# Altium PCB PCB1.PcbDoc (part 1 of 3) (continued)
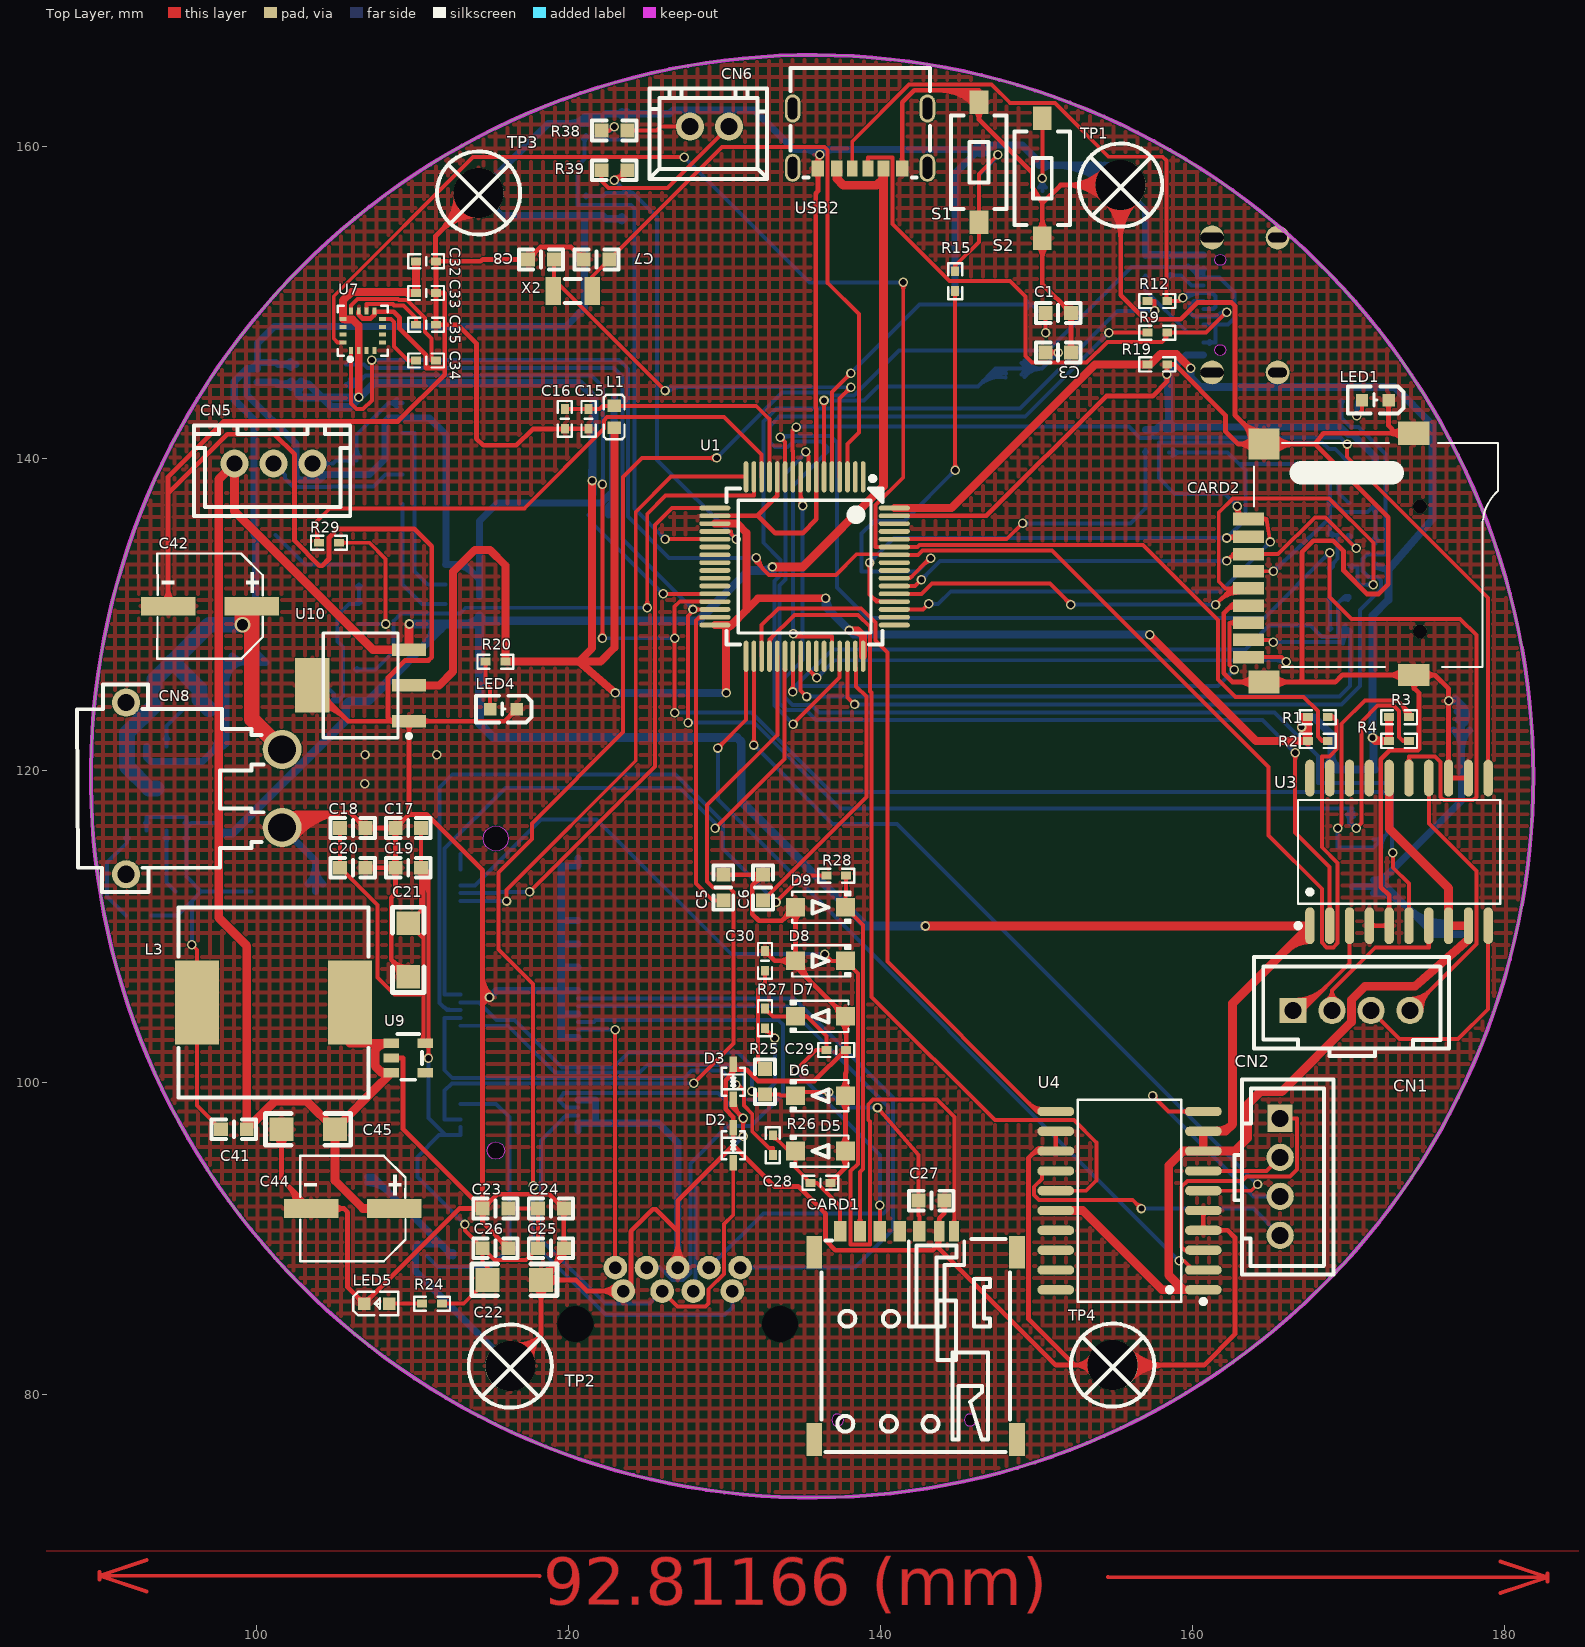
[diagram p0: Top Layer view]
## Footprints (in the part's own frame and the unit in brackets; to place one, negate y for a bottom-side part, rotate by r counter-clockwise, add the part's x,y. Pads: shape width x height; smd on the part's side, far side on the other; paste and mask are expansions set on the pad)
0402 [mil]
  rect 25x20 smd: 1(-25,0) 2(25,0)
  silkscreen extent -45,-18 45,18, body extent -20,-10 20,10, height 19
0402C [mil]
  rect 25x20 smd: 1(-25,0) 2(25,0)
  silkscreen extent -45,-18 45,18, body extent -20,-10 20,10, height 19
0402R [mil]
  rect 25x20 smd: 1(-25,0) 2(25,0)
  silkscreen extent -45,-18 45,18, body extent -20,-10 20,10, height 14
0603C [mil] "Chip Resistor, 2-Leads, Body 1.6x0.8mm, IPC Medium Density"
  rect 35x35 smd: 1(-32.5,0) 2(32.5,0)
  silkscreen extent -56,-25 56,25, body extent -31,-16 31,15, height 18
0603R [mil] "10mil˿ӡ"
  rect 35x35 smd: 1(-32.5,0) 2(32.5,0)
  silkscreen extent -56,-25 56,25, body extent -33,-16 33,16, height 22
0805 [mm]
  rect 1.2x1.14 smd: 1(-0.955,0) 2(0.955,0)
  silkscreen extent -1.85,-0.89 1.91,0.91, body extent -1.4,-0.62 1.4,0.63, height 0.8
1206C [mil]
  rect 60x60 smd: 1(0,0) 2(135,0)
  silkscreen extent -40,-40 175,40, body extent -4,-39 142,37, height 71
CAP-SMD_BD6.3-L6.6-W6.6-FD [mm]
  rect 3.5x1.2 smd: 1(-2.67,0) 2(2.67,0)
  silkscreen extent -3.38,-3.38 3.38,3.38
CONN-SMD_4P-P2.50_HX25003-4AWB [mm]
  rect 1.3x4 smd paste+0 mask+0.051: 1(-3.75,3.5) 2(-1.25,3.5) 3(1.25,3.5) 4(3.75,3.5)
  rect 1.9x4 smd paste+0 mask+0.051: 5(6.8,-3.5) 6(-6.8,-3.5)
  silkscreen extent -7.5,-5.3 7.5,3.88
CONN-TH_2P-P2.50_HCTL_XH-2A-X [mm]
  round 1.8 / inner round 1.524 / far side round 1.524 hole 1.1: 1(-1.251,0) 2(1.251,0)
  silkscreen extent -3.69,-2.45 3.83,3.35
CONN-TH_4P-P2.50_HCTL_HC-XHB-4A [mm]
  rect 1.75x1.6 / inner round 1.524 / far side round 1.524 hole 1.1: 1(-3.75,0)
  round 1.75 / inner round 1.524 / far side round 1.524 hole 1.1: 2(-1.25,0) 3(1.25,0) 4(3.75,0)
  silkscreen extent -6.25,-2.92 6.25,3.43
CONN-TH_XH-3A [mm]
  round 1.8 / inner round 1.524 / far side round 1.524 hole 1 paste+0 mask+0.05: 1(-2.5,0) 2(0,0) 3(2.5,0)
  silkscreen extent -4.92,-2.44 5.09,3.38
CONN-TH_XT30PW-M [mm]
  round 2.5 / inner round 1.524 / far side round 1.524 hole 1.8: 1(-2.5,5) 2(2.5,5)
  round 1.8 / inner round 1.524 / far side round 1.524 hole 1.1: 3(5.5,-5) 4(-5.5,-5)
  silkscreen extent -6.65,-8.15 6.65,3.81
CRYSTAL-SMD_L5.0-W3.2 [mm]
  rect 1.9x2.4 smd paste+0 mask+0.051: 1(-2.05,0) 2(2.05,0)
  silkscreen extent -3.32,-1.85 3.33,1.85
ESOP-8_L4.9-W3.9-P1.27-LS6.0-TL-EP3.3 [mm]
  rect 1.3x0.6 smd: 1(-2.7,1.905) 2(-2.7,0.635) 3(-2.7,-0.635) 4(-2.7,-1.905) 5(2.7,-1.905) 6(2.7,-0.635) 7(2.7,0.635) 8(2.7,1.905)
  rect 2.4x3.3 smd: 9(0,0)
  silkscreen extent -2.67,-2.55 2.05,3.2
FC-135R_L3.2-W1.5 [mm]
  rect 1x1.8 smd paste+0 mask+0.051: 1(-1.25,0) 2(1.25,0)
  silkscreen extent -0.51,-0.76 0.51,0.76
IND-SMD_L12.0-W12.0 [mm]
  rect 2.8x5.4 smd paste+0 mask+0.051: 1(4.9,0) 2(-4.9,0)
  silkscreen extent -6.1,-6.1 6.1,6.1
L0603 [mm]
  rect 0.8x0.864 smd paste-100 mask+0.051: 1(-0.7,0) 2(0.7,0)
  silkscreen extent -1.42,-0.65 1.41,0.67
LED0603-R-RD [mm]
  rect 0.8x0.8 smd paste+0 mask+0.051: 1(0.851,0) 2(-0.851,0)
  silkscreen extent -1.82,-0.86 1.77,0.86
LED0603-RD [mm]
  rect 0.8x0.8 smd paste+0 mask+0.051: 1(-0.799,-0.003) 2(0.799,0.003)
  silkscreen extent -1.49,-0.75 1.39,0.76
LGA-16_L3.0-W3.0-P0.50-BL_SQ [mm]
  rect 0.25x0.45 smd paste+0 mask+0.051: 1(-0.75,-1.263) 2(-0.25,-1.263) 3(0.25,-1.263) 4(0.75,-1.263) 9(0.75,1.263) 10(0.25,1.263) 11(-0.25,1.263) 12(-0.75,1.263)
  rect 0.45x0.25 smd paste+0 mask+0.051: 5(1.263,-0.75) 6(1.263,-0.25) 7(1.263,0.25) 8(1.263,0.75) 13(-1.263,0.75) 14(-1.263,0.25) 15(-1.263,-0.25) 16(-1.263,-0.75)
  silkscreen extent -1.61,-1.95 1.61,1.6
LQFP-64_L10.0-W10.0-P0.50-LS12.0-BL [mm]
  oval 0.3x2 smd paste+0 mask+0.051: 1(-3.75,-5.75) 2(-3.25,-5.75) 3(-2.75,-5.75) 4(-2.25,-5.75) 5(-1.75,-5.75) 6(-1.25,-5.75) 7(-0.75,-5.75) 8(-0.25,-5.75) 9(0.25,-5.75) 10(0.75,-5.75) 11(1.25,-5.75) 12(1.75,-5.75) 13(2.25,-5.75) 14(2.75,-5.75) 15(3.25,-5.75) 16(3.75,-5.75) 33(3.75,5.75) 34(3.25,5.75) 35(2.75,5.75) 36(2.25,5.75) 37(1.75,5.75) 38(1.25,5.75) 39(0.75,5.75) 40(0.25,5.75) 41(-0.25,5.75) 42(-0.75,5.75) 43(-1.25,5.75) 44(-1.75,5.75) 45(-2.25,5.75) 46(-2.75,5.75) 47(-3.25,5.75) 48(-3.75,5.75)
  oval 2x0.3 smd paste+0 mask+0.051: 17(5.75,-3.75) 18(5.75,-3.25) 19(5.75,-2.75) 20(5.75,-2.25) 21(5.75,-1.75) 22(5.75,-1.25) 23(5.75,-0.75) 24(5.75,-0.25) 25(5.75,0.25) 26(5.75,0.75) 27(5.75,1.25) 28(5.75,1.75) 29(5.75,2.25) 30(5.75,2.75) 31(5.75,3.25) 32(5.75,3.75) 49(-5.75,3.75) 50(-5.75,3.25) 51(-5.75,2.75) 52(-5.75,2.25) 53(-5.75,1.75) 54(-5.75,1.25) 55(-5.75,0.75) 56(-5.75,0.25) 57(-5.75,-0.25) 58(-5.75,-0.75) 59(-5.75,-1.25) 60(-5.75,-1.75) 61(-5.75,-2.25) 62(-5.75,-2.75) 63(-5.75,-3.25) 64(-5.75,-3.75)
  silkscreen extent -5,-5.79 5,5
NGFF-SMD_APCI0078-P002A [mm]
  rect 0.3x1.55 smd: 1(-9.25,3.775) 2(-9,-3.775) 3(-8.75,3.775) 4(-8.5,-3.775) 5(-8.25,3.775) 6(-8,-3.775) 7(-7.75,3.775) 8(-7.5,-3.775) 9(-7.25,3.775) 10(-7,-3.775) 11(-6.75,3.775) 20(-4.5,-3.775) 21(-4.25,3.775) 22(-4,-3.775) 23(-3.75,3.775) 24(-3.5,-3.775) 25(-3.25,3.775) 26(-3,-3.775) 27(-2.75,3.775) 28(-2.5,-3.775) 29(-2.25,3.775) 30(-2,-3.775) 31(-1.75,3.775) 32(-1.5,-3.775) 33(-1.25,3.775) 34(-1,-3.775) 35(-0.75,3.775) 36(-0.5,-3.775) 37(-0.25,3.775) 38(0,-3.775) 39(0.25,3.775) 40(0.5,-3.775) 41(0.75,3.775) 42(1,-3.775) 43(1.25,3.775) 44(1.5,-3.775) 45(1.75,3.775) 46(2,-3.775) 47(2.25,3.775) 48(2.5,-3.775) 49(2.75,3.775) 50(3,-3.775) 51(3.25,3.775) 52(3.5,-3.775) 53(3.75,3.775) 54(4,-3.775) 55(4.25,3.775) 56(4.5,-3.775) 57(4.75,3.775) 58(5,-3.775) 59(5.25,3.775) 60(5.5,-3.775) 61(5.75,3.775) 62(6,-3.775) 63(6.25,3.775) 64(6.5,-3.775) 65(6.75,3.775) 66(7,-3.775) 67(7.25,3.775) 68(7.5,-3.775) 69(7.75,3.775) 70(8,-3.775) 71(8.25,3.775) 72(8.5,-3.775) 73(8.75,3.775) 74(9,-3.775) 75(9.25,3.775)
  rect 1.3x2.75 smd: 76(-10.35,3) 77(10.35,3)
  Keep-Out Layer board cut-out: -9.439,-1.5 -9.482,-1.285 -9.603,-1.103 -9.785,-0.982 -10,-0.939 -10.215,-0.982 -10.397,-1.103 -10.518,-1.285 -10.561,-1.5 -10.561,-1.5 -10.518,-1.715 -10.397,-1.896 -10.215,-2.018 -10,-2.061 -9.785,-2.018 -9.603,-1.896 -9.482,-1.715 -9.439,-1.5
  Keep-Out Layer board cut-out: 10.807,-1.5 10.779,-1.291 10.699,-1.096 10.571,-0.929 10.403,-0.801 10.209,-0.72 10,-0.693 9.791,-0.72 9.596,-0.801 9.429,-0.929 9.301,-1.096 9.221,-1.291 9.193,-1.5 9.193,-1.5 9.221,-1.709 9.301,-1.903 9.429,-2.07 9.596,-2.199 9.791,-2.279 10,-2.307 10.209,-2.279 10.403,-2.199 10.571,-2.07 10.699,-1.903 10.779,-1.709 10.807,-1.5
  Multi-Layer pour cut-out: -9.439,-1.5 -9.482,-1.285 -9.603,-1.103 -9.785,-0.982 -10,-0.939 -10.215,-0.982 -10.397,-1.103 -10.518,-1.285 -10.561,-1.5 -10.561,-1.5 -10.518,-1.715 -10.397,-1.896 -10.215,-2.018 -10,-2.061 -9.785,-2.018 -9.603,-1.896 -9.482,-1.715 -9.439,-1.5
  Multi-Layer pour cut-out: 10.807,-1.5 10.779,-1.291 10.699,-1.096 10.571,-0.929 10.403,-0.801 10.209,-0.72 10,-0.693 9.791,-0.72 9.596,-0.801 9.429,-0.929 9.301,-1.096 9.221,-1.291 9.193,-1.5 9.193,-1.5 9.221,-1.709 9.301,-1.903 9.429,-2.07 9.596,-2.199 9.791,-2.279 10,-2.307 10.209,-2.279 10.403,-2.199 10.571,-2.07 10.699,-1.903 10.779,-1.709 10.807,-1.5
  silkscreen extent -11.05,-3.68 11.05,3.56
"PCBComponent_1 - duplicate" [mil]
  round 126 / inner round 60 / far side round 60 hole 126 paste+0 mask+4: 1(-2.5,2.5)
  silkscreen extent -107,-102 102,107
SENSOR-SMD_AHT10 [mm]
  rect 1x1.27 smd paste+0 mask+0.051: 1(-1.27,-1.6) 2(0,-1.6) 3(1.27,-1.6) 4(1.27,1.6) 5(0,1.6) 6(-1.27,1.6)
  silkscreen extent -2.54,-2.03 2.54,2.03
SIM-SMD_SMN-303 [mm]
  rect 1x2.1 smd: 8(-6.5,5.328) 9(6.5,5.328) 10(6.5,-6.672) 11(-6.5,-6.672)
  rect 0.8x1.3 smd: C1(0.25,6.672) C2(-2.29,6.672) C3(-4.83,6.672) C6(-1.02,6.672) C7(-3.56,6.672)
  rect 0.65x1.3 smd: C5(1.52,6.672) CD(2.47,6.672)
  Keep-Out Layer board cut-out: -4.618,-5.422 -4.618,-5.422 -4.647,-5.276 -4.73,-5.152 -4.854,-5.069 -5,-5.04 -5.146,-5.069 -5.27,-5.152 -5.353,-5.276 -5.382,-5.422 -5.382,-5.422 -5.353,-5.568 -5.27,-5.692 -5.146,-5.775 -5,-5.804 -4.854,-5.775 -4.73,-5.692 -4.647,-5.568
  Keep-Out Layer board cut-out: 3.882,-5.422 3.882,-5.422 3.853,-5.276 3.77,-5.152 3.646,-5.069 3.5,-5.04 3.354,-5.069 3.23,-5.152 3.147,-5.276 3.118,-5.422 3.118,-5.422 3.147,-5.568 3.23,-5.692 3.354,-5.775 3.5,-5.804 3.646,-5.775 3.77,-5.692 3.853,-5.568
  Multi-Layer pour cut-out: -4.618,-5.422 -4.618,-5.422 -4.647,-5.276 -4.73,-5.152 -4.854,-5.069 -5,-5.04 -5.146,-5.069 -5.27,-5.152 -5.353,-5.276 -5.382,-5.422 -5.382,-5.422 -5.353,-5.568 -5.27,-5.692 -5.146,-5.775 -5,-5.804 -4.854,-5.775 -4.73,-5.692 -4.647,-5.568
  Multi-Layer pour cut-out: 3.882,-5.422 3.882,-5.422 3.853,-5.276 3.77,-5.152 3.646,-5.069 3.5,-5.04 3.354,-5.069 3.23,-5.152 3.147,-5.276 3.118,-5.422 3.118,-5.422 3.147,-5.568 3.23,-5.692 3.354,-5.775 3.5,-5.804 3.646,-5.775 3.77,-5.692 3.853,-5.568
  silkscreen extent -6.04,-7.49 6.04,6.16
SMAF_L4.3-W2.5-LS5.0-RD [mm]
  rect 2x1.8 smd paste+0 mask+0.051: 1(-2.05,0) 2(2.05,0)
  silkscreen extent -2.16,-1.27 2.16,1.27
SOD-123FL_L2.8-W1.8-LS3.7-RD [mm]
  rect 1.2x1.2 smd: 1(-1.6,0) 2(1.6,0)
  silkscreen extent -1.9,-1 1.8,1
SOD-323_L1.8-W1.3-LS2.5-BI [mm]
  rect 0.985x0.49 smd: 1(-1.118,0) 2(1.118,0)
  silkscreen extent -0.9,-0.73 0.9,0.73
SOIC-8_L4.9-W3.9-P1.27-LS6.0-BL [mm]
  oval 0.588x2.045 smd paste+0 mask+0.051: 1(-1.905,-2.772) 2(-0.635,-2.772) 3(0.635,-2.772) 4(1.905,-2.772) 5(1.905,2.772) 6(0.635,2.772) 7(-0.635,2.772) 8(-1.905,2.772)
  silkscreen extent -2.8,-2.92 2.53,1.52
SOIC-20_L13.0-W7.6-P1.27-LS10.3-BL [mm]
  oval 0.595x2.36 smd: 1(-5.715,-4.73) 2(-4.445,-4.73) 3(-3.175,-4.73) 4(-1.905,-4.73) 5(-0.635,-4.73) 6(0.635,-4.73) 7(1.905,-4.73) 8(3.175,-4.73) 9(4.445,-4.73) 10(5.715,-4.73) 11(5.715,4.73) 12(4.445,4.73) 13(3.175,4.73) 14(1.905,4.73) 15(0.635,4.73) 16(-0.635,4.73) 17(-1.905,4.73) 18(-3.175,4.73) 19(-4.445,4.73) 20(-5.715,4.73)
  silkscreen extent -6.61,-4.88 6.48,3.32
SOT223_4 [mm] "SOT223, 4-Leads, Body 6.50x7.00mm (avg), Pitch 2.29mm, IPC Medium Density"
  rect 2.2x0.8 smd: 1(-3.1,2.29) 2(-3.1,0) 3(-3.1,-2.29)
  rect 2.2x3.5 smd: 4(3.1,0)
  silkscreen extent -3.22,-3.35 2.4,3.36, body extent -1.86,-3.35 1.86,3.35, height 1.8
SOT-23-3_L2.9-W1.3-P1.90-LS2.4-BR [mm]
  rect 1.25x0.7 smd paste+0 mask+0.051: 1(1,-0.95) 2(1,0.95) 3(-1,0)
  silkscreen extent -0.73,-1.53 0.73,1.53
SOT-23-5_L2.9-W1.6-P0.95-LS2.8-BR [mm]
  rect 1x0.6 smd paste+0 mask+0.05: 1(1.1,-0.95) 2(1.1,0) 3(1.1,0.95) 4(-1.1,0.95) 5(-1.1,-0.95)
  silkscreen extent -0.89,-1.52 0.7,1.4
SW-3x6mm-SMT [mm] "两脚贴片轻触开关3x6mm"
  rect 1.5x1.2 smd: 1(-3.85,0) 2(3.85,0)
  silkscreen extent -3,-1.78 3,1.78, body extent -4.03,-1.75 3.97,1.75, height 2.59
TF_SD [mm] "SD卡"
  round 0.9 hole 0.9 unplated: 0(-0.8,11) 0(7.2,11)
  rect 0.85x2 smd: 1(0,0)
  rect 0.8x2 smd: 2(1.15,0) 3(2.25,0) 4(3.35,0) 5(4.45,0) 6(5.55,0) 7(6.65,0) 8(7.75,0) 9(8.85,0)
  rect 1.5x2 smd: 10(-5.5,10.6) 10(10.45,1)
  rect 2x2 smd: 10(-4.8,1)
  rect 1.4x2 smd: 10(10,10.6)
  silkscreen extent -4.87,0.36 9.49,16, body extent -5.8,-0.27 10.3,16.93, height 2.2
USB-3.0-A-TH_HC-ST-003-01-Z [mil]
  rect 47.24x47.24 / inner round 60 / far side round 60 hole 31.5 paste+0 mask+1.97: 1(-137.8,11.82)
  round 47.24 / inner round 60 / far side round 60 hole 31.5 paste+0 mask+1.97: 2(-39.36,11.82) 3(39.38,11.82) 4(137.79,11.82) 5(157.49,70.86) 6(78.75,70.86) 7(0.01,70.86) 8(-78.73,70.86) 9(-157.47,70.86)
  round 118.11 / inner round 60 / far side round 60 hole 90.55 paste+0 mask+1.97: 10(-257.88,-70.87) 11(257.88,-70.87)
  silkscreen extent -258,-535 258,126
USB-C-SMD_TYPE-C-6P [mm]
  oval 1x1.8 / inner round 1.524 / far side round 1.524 hole 0.6 slot 1.4 at 90 deg paste+0 mask+0.05: 1(-4.32,-1.925) 1(-4.32,1.875) 2(4.32,-1.925) 2(4.32,1.875)
  rect 0.7x1 smd paste-100 mask+0.05: A5(-0.499,1.925) B5(0.501,1.925)
  rect 0.75x1 smd paste-100 mask+0.05: A9(1.501,1.925) B9(-1.499,1.925)
  rect 0.8x1 smd paste-100 mask+0.05: A12(2.701,1.925) B12(-2.699,1.925)
  silkscreen extent -4.47,-4.52 4.47,2.5
USB-C-SMD_TYPE-C-6PIN-2MD-073 [mm]
  rect 0.55x1.1 smd paste-100 mask+0.05: 1(-3.2,2.375) 2(-2.4,2.375) 11(2.4,2.375) 12(3.2,2.375)
  rect 0.3x1.1 smd paste-100 mask+0.05: 3(-1.75,2.375) 4(-1.25,2.375) 5(-0.75,2.375) 6(-0.25,2.375) 7(0.25,2.375) 8(0.75,2.375) 9(1.25,2.375) 10(1.75,2.375)
  oval 1.1x2 / inner round 1.524 / far side round 1.524 hole 0.6 slot 1.5 at 90 deg paste+0 mask+0.05: 13(-4.325,1.825) 14(4.325,1.825)
  oval 1.2x1.8 / inner round 1.524 / far side round 1.524 hole 0.6 slot 1.2 at 90 deg paste+0 mask+0.05: 13(-4.325,-2.375) 14(4.325,-2.375)
  Keep-Out Layer board cut-out: -2.534,1.305 -2.56,1.435 -2.637,1.551 -2.753,1.628 -2.89,1.655 -3.026,1.628 -3.142,1.551 -3.22,1.435 -3.245,1.305 -3.245,1.305 -3.22,1.175 -3.142,1.059 -3.026,0.982 -2.89,0.954 -2.753,0.982 -2.637,1.059 -2.56,1.175
  Keep-Out Layer board cut-out: 3.246,1.305 3.22,1.435 3.143,1.551 3.027,1.628 2.89,1.655 2.754,1.628 2.638,1.551 2.56,1.435 2.535,1.305 2.535,1.305 2.56,1.175 2.638,1.059 2.754,0.982 2.89,0.954 3.027,0.982 3.143,1.059 3.22,1.175
  Multi-Layer pour cut-out: -2.534,1.305 -2.56,1.435 -2.637,1.551 -2.753,1.628 -2.89,1.655 -3.026,1.628 -3.142,1.551 -3.22,1.435 -3.245,1.305 -3.245,1.305 -3.22,1.175 -3.142,1.059 -3.026,0.982 -2.89,0.954 -2.753,0.982 -2.637,1.059 -2.56,1.175
  Multi-Layer pour cut-out: 3.246,1.305 3.22,1.435 3.143,1.551 3.027,1.628 2.89,1.655 2.754,1.628 2.638,1.551 2.56,1.435 2.535,1.305 2.535,1.305 2.56,1.175 2.638,1.059 2.754,0.982 2.89,0.954 3.027,0.982 3.143,1.059 3.22,1.175
  silkscreen extent -4.5,-4.97 4.57,0.6

## Part data
C1 C3 C4 C5 C6 C7 C8 C10 C11 C12 C13 C14 C15 C16 C39: library part CAP_0603
C2 C9: library part Cap, "Capacitor"
C17 C18 C19 C20 C23 C24 C25 C26 C40 C41: library part 0603B104K500NT
C21 C22 C42 C44: library part CL31A226KAHNNNE
C27 C28 C29 C30 C43 C45: library part CL31A106KBHNNNE
C31 C32 C33 C34 C35 C36 C37 C38: library part CAP_0402
CARD2: library part TF-02A
CN4: library part HX25003-4AWB
D5 D6 D7 D8 D9: library part SMF75A_C5116416
D10: library part SS32
L1 L2: library part L_0603
L3: library part SDRH.1207.NLF6R8MT00
LED1 LED4: library part 19-217/BHC-ZL1M2RY/3T
LED5: library part NCD0603G1
Q1: library part 2N7002_C8545
R1 R2 R3 R4 R5 R9 R10 R11 R12 R14 R15 R18 R19 R20 R40 R41 R42 R43 R44 R45: library part RC0402FR-0710KL
R21 R33 R34 R35 R38 R39: library part Res_0603
R23 R25: library part RMC06034.7k5%N
R24: library part 0402WGF1001TCE
R26 R27 R28 R29 R30 R31 R32: library part Res_0402
R36 R37: library part Res_0805
S1 S2: "Single-Pole, Single-Throw Switch"
U1: library part STM32F405RGT6
U6: library part MAX3485ECSA+
U7: library part QMC5883L
U8: library part AHT10
X1: library part X50328MSB2GI
X2: library part Q13FC1350000400

## Via types
v1: diameter 0.61, hole 0.406, Top Layer to Bottom Layer, 111 vias
v2: diameter 1.016, hole 0.711, Top Layer to Bottom Layer, 1 vias

## Nets (pads, with @x,y where several pads share a name; then routed paths per layer and width w, separated by ;. In a path a pad name is that pad's centre, name@x,y a point inside that pad or via, vN(x,y) a via of type N, cw(c..) or ccw(c..) an arc to the next point about the centre after c; other vN are vias at no path point)
0_2V_IN_A: CN6.2 R38.1 | length 4.1
  Top Layer w0.254: R38.1@123.761,161.036 125.628,161.036 125.882,161.29 CN6.2@127.781,161.29
0_2V_IN_B: CN6.1 R39.1 | length 10.7
  Top Layer w0.254: R39.1@122.111,158.496 122.111,157.797 122.554,157.353 126.346,157.353 CN6.1@130.283,161.29
3V3: C10.2 C11.2 C12.2 C13.2 C14.2 C32.1 C33.2 C36.1 CN4.1 L1.1 L2.1 R1.2 R2.2 R3.2 R4.2 R19.1 R20.1 U1.19 U1.32 U1.48 U1.64 U7.2 U7.13 U8.4 U10.2 | length 258
  Top Layer w0.508: v1(106.557,143.942) U7.2@106.557,146.946 106.557,148.532 106.172,148.917 105.706,148.917 105.664,148.959 U7.13@105.544,148.959 105.537,148.959 105.537,150.143 106.092,150.698 109.601,150.698 109.673,150.626 C33.2@110.236,150.626 C32.1@110.236,152.658 ; U10.2@109.78,125.476 111.709,125.476 112.598,126.365 112.598,132.766 113.995,134.163 114.96,134.163 115.951,133.172 R20.1@115.951,127 120.65,127 ; v1(121.514,138.608) 121.514,127.864 120.65,127 ; L1.1@122.936,141.986 122.936,127.889 122.047,127 120.65,127 ; v1(122.987,124.993) 120.65,127 ; U1.32@129.378,129.346 U1.32@130.099,129.346 ; U1.19@129.378,135.846 130.81,135.846 131.394,135.262 131.394,130.302 ; v1(130.099,124.993) U1.32@130.099,129.346 ; U1.32@130.228,129.242 ccw(c130.228,129.498) 130.409,129.317 ; v1(136.471,131.064) 132.156,131.064 131.394,130.302 ; v1(138,129) 138.535,129 138.878,128.656 U1.48@138.878,127.346 ; v1@138.012,128.951 cw(c138.215,128.146) 138.802,128.733 ; U1.64@140.878,136.846 144.542,136.846 153.746,146.05 R19.1@157.099,146.05 157.277,146.05 157.937,146.71 158.953,146.71 v1(159.868,145.796) ; v1(157.246,128.727) 164.053,121.92 R2.2@167.386,121.92 R1.2@167.386,123.444 ; v1@166.947,122.77 cw(c166.163,121.832) R2.2@167.386,121.832 ; v1@166.963,122.857 ccw(c166.767,123.444) R1.2@167.386,123.444 ; v1@166.98,122.722 cw(c167.91,122.722) R1.2@167.323,123.444 ; v1(166.98,122.809) 166.98,123.444 R1.2@167.386,123.444 ; 167.273,123.16 cw(c167.07,122.918) 167.386,122.918 ; v1@171.562,122.159 ccw(c172.139,122.736) 172.139,121.92 ; v1@171.704,121.92 R4.2@172.593,121.92 R3.2@172.593,123.444 ; U1.32@130.099,129.346 130.438,129.346 131.394,130.302
  Bottom Layer w0.508: C36.1@100.076,144.907 101.244,144.907 101.371,144.78 U8.4@102.54,144.78 U8.4@102.667,144.78 ; U8.4@102.231,144.606 ccw(c101.811,144.186) 101.811,144.78 ccw(c101.811,145.374) U8.4@102.231,144.954 ; U8.4@102.501,144.606 cw(c102.101,144.206) 102.667,144.206 ; 102.667,144.166 cw(c103.289,144.166) 102.849,144.606 cw(c103.269,144.186) 103.269,144.78 cw(c103.269,145.374) U8.4@102.849,144.954 ; v1(106.557,143.942) 104.191,143.942 ; v1(121.514,138.608) 121.514,139.257 C13.2@121.539,139.257 ; C14.2@121.539,137.733 C13.2@121.539,139.257 ; v1(122.987,124.993) v1(130.099,124.993) ; v1(136.471,131.064) 136.471,130.529 v1(138,129) 138.273,128.727 v1(157.246,128.727) ; v1@136.521,131.064 ccw(c137.934,131.064) 136.935,130.065 ; v1@138.036,129.036 ccw(c138.781,129.781) 138.781,128.727 ; v1(159.868,145.796) 159.868,145.212 160.477,144.602 172.949,144.602 175.362,142.189 175.362,136.144 172.542,132.879 ; v1(166.98,122.809) 167.589,123.419 167.792,123.419 168.885,122.326 168.885,120.082 CN4.1@170.236,120.082 CN4.1@171.577,120.082 ; CN4.1@168.606,120.362 ccw(c167.933,121.035) 168.885,121.035 ; 168.885,121.042 ccw(c169.846,121.042) CN4.1@169.166,120.362 ; CN4.1@171.704,120.082 CN4.1@171.577,120.082 ; L2.1@171.704,133.158 172.542,132.879 ; U8.4@102.667,144.78 102.667,144.145 102.87,143.942 104.191,143.942 ; U8.4@102.667,144.78 103.353,144.78 104.191,143.942 ; 104.191,143.942 104.8,143.332 106.02,143.332 107.544,144.856 120.715,144.856 121.615,143.956 C10.2@121.666,143.956 C11.2@121.666,142.432 121.666,141.656 121.539,141.529 C12.2@121.539,140.781 C13.2@121.539,139.257 ; CN4.1@171.577,120.082 171.577,122.072 v1(171.526,122.123) 171.526,129.946 172.542,130.962 172.542,132.879
5V: C31.2 C41.2 C44.1 C45.2 CN5.3 L3.2 R30.2 R48.2 U3.1 U3.8 U3.9 U3.16 U4.1 U4.8 U4.9 U4.16 U6.8 U9.1 U9.3 U10.3 USB2.A9 USB2.B9 | length 333.1
  Top Layer w0.559: L3.2@105.992,105.156 105.992,102.55 108.052,102.55 ; C44.1@107.465,91.721 ccw(c106.918,91.174) 106.918,91.948 ccw(c106.918,92.722) C44.1@107.465,92.175 ; 107.75,102.249 cw(c108.428,101.571) U9.1@108.428,102.529 ; 107.816,100.871 ccw(c108.318,101.373) U9.3@108.425,100.671 ; 107.863,102.362 cw(c108.3,101.925) U9.1@108.424,102.53 ; 108.256,100.264 ccw(c107.866,100.639) U9.3@108.407,100.65 ; C44.1@108.842,91.948 106.832,91.948 105.029,93.751 C45.2@105.029,97.028 ; v1(109.804,129.413) 109.78,129.389 U10.3@109.78,127.766 107.463,127.766 98.592,136.638 CN5.3@98.592,139.7 97.587,138.695 97.587,110.592 99.377,108.801 C41.2@99.377,97.028 101.181,98.831 103.226,98.831 C45.2@105.029,97.028 ; v1(133.071,133.071) 135.001,133.071 140.183,138.252 140.183,157.963 ; USB2.A9@137.183,158.603 137.183,157.963 137.615,157.531 139.751,157.531 140.183,157.963 ; USB2.A9@137.267,158.432 ccw(c137.739,158.17) 137.357,157.788 ; 140.009,157.788 ccw(c139.627,158.17) USB2.B9@140.099,158.432 ; v1(142.875,110.058) U3.1@167.513,110.058 ; U4.16@151.226,91.821 152.959,91.821 158.039,86.741 159.395,86.741 ; U4.9@161.568,96.919 ccw(c161.568,98.253) 162.512,97.31 ; 166.009,108.555 cw(c167.513,107.051) U3.1@167.513,109.177 ; 166.963,109.509 cw(c167.513,108.959) U3.1@167.513,109.736 ; U3.1@167.513,110.078 U3.1@167.513,110.058 ; U3.16@172.593,119.538 172.593,116.291 176.403,112.481 U3.8@176.403,110.078 U3.9@177.673,110.078 177.673,109.195 174.244,106.197 171.044,106.197 170.18,105.334 170.18,103.911 165.71,99.441 164.338,99.441 163.525,98.628 163.525,96.469 162.687,95.631 U4.8@160.686,95.631 ; C45.2@105.029,97.028 108.036,100.035 U9.3@108.628,100.65 108.036,100.65 107.62,101.067 107.62,102.118 108.052,102.55 ; 108.052,102.55 U9.1@108.628,102.55 108.052,102.55 ; 140.183,157.963 USB2.B9@140.183,158.603 140.183,157.963 ; 159.395,86.741 U4.1@160.686,86.741 159.395,86.741 ; 159.395,86.741 158.465,87.672 158.465,94.711 159.385,95.631 U4.8@160.686,95.631 ; U4.8@160.686,95.631 U4.9@160.686,96.901 162.103,96.901 162.56,97.358 162.56,105.105 U3.1@167.513,110.058
  Bottom Layer w0.559: R48.2@97.663,116.014 98.489,116.014 105.715,123.241 105.715,124.231 105.943,124.46 R30.2@106.299,124.46 107.166,124.46 U6.8@112.119,129.413 ; 105.78,124.297 cw(c106.236,123.842) R30.2@106.236,124.485 ; v1(109.804,129.413) U6.8@112.119,129.413 ; 110.851,128.144 ccw(c109.582,129.413) U6.8@111.376,129.413 ; 111.805,129.098 ccw(c111.49,129.413) U6.8@111.935,129.413 ; 113.288,129.413 ccw(c113.288,130.869) C31.2@114.318,129.84 ; C31.2@114.282,129.84 ccw(c114.821,130.379) 114.821,129.616 ; 132.457,132.842 ccw(c132.457,133.684) v1@133.053,133.089 ; v1(133.071,133.071) 133.071,132.842 131.537,132.842 128.311,129.616 C31.2@114.3,129.616 ; v1(142.875,110.058) 139.059,110.058 131.072,118.045 131.072,121.861 130.799,122.134 115.178,122.134 114.3,123.012 114.3,129.5 ; U6.8@112.119,129.413 114.213,129.413 114.3,129.5 ; 114.3,129.5 C31.2@114.3,129.616 ; 114.3,129.5 C31.2@114.3,129.616 ; C31.2@114.3,129.616 C31.2@114.3,129.921 ; C31.2@114.3,129.616 C31.2@114.3,129.921 ; C31.2@114.3,129.616 C31.2@114.3,129.921
485_A: R36.1 U6.6 | length 12
  Bottom Layer w0.254: R36.1@109.347,141.666 110.134,141.666 110.134,132.766 110.947,131.953 U6.6@112.119,131.953
485_B: R37.1 U6.7 | length 8.4
  Bottom Layer w0.254: R37.1@109.347,137.094 109.347,131.953 110.617,130.683 U6.7@112.119,130.683
B00T0: R18.2 U1.60 | length 21.8
  Top Layer w0.254: U1.60@140.878,134.846 148.079,134.846 v1(149.098,135.865)
  Bottom Layer w0.254: v1(149.098,135.865) 156.007,135.865 156.972,136.83 R18.2@156.972,140.589 ; v1@149.224,135.739 cw(c149.527,135.435) 149.527,135.865 cw(c149.527,136.294) v1@149.224,135.99 ; R18.2@156.882,140.436 cw(c156.665,140.219) 156.972,140.219 cw(c157.279,140.219) R18.2@157.062,140.436
B_CODE_OUT: CN3.26
BAT: C42.1 C43.2 CN8.1 R47.1 U11.1 U11.9 | length 33.1
  Top Layer w1.016: CN8.1@101.647,121.372 99.698,123.321 99.698,129.362 C42.1@99.698,130.556 ; C42.1@99.698,130.556 cw(c98.191,130.556) v2(99.111,129.362) 99.111,130.556 C42.1@99.698,130.556
  Bottom Layer w1.016: U11.9@93.599,118.872 93.116,118.872 91.694,120.294 U11.1@91.694,121.572 91.694,122.428 93.472,124.206 93.472,125.857 C43.2@94.615,127 ; R47.1@96.965,123.952 96.342,124.574 96.342,125.273 C43.2@94.615,127 ; v2(99.111,129.362) 96.977,129.362 C43.2@94.615,127
BB: CN5.2 R33.2 R37.2 | length 9.3
  Bottom Layer w0.254: CN5.2@101.092,139.7 101.839,138.953 101.839,138.724 102.362,138.201 104.781,138.201 104.819,138.239 R33.2@106.426,138.239 107.493,138.239 108.257,139.004 R37.2@109.347,139.004
BOOT1: R5.1 U1.28 | length 10.4
  Top Layer w0.254: v1(126.06,131.346) U1.28@129.378,131.346
  Bottom Layer w0.254: R5.1@121.285,136.398 121.361,136.398 121.361,136.045 v1(126.06,131.346)
CONFIG_0: CN3.21
CONFIG_1: CN3.69
CONFIG_2: CN3.75
CONFIG_3: CN3.1
DN: R12.2 USB1.5 USB1.7 USB2.B5 | length 42.6
  Top Layer w0.254: USB2.B5@138.183,158.603 138.183,160.343 141.822,163.982 147.117,163.982 148.308,162.791 151.181,162.791 154.612,159.36 158.064,159.36 158.318,159.106 158.318,150.114 R12.2@158.369,150.114 v1@159.168,150.114 ; R12.2@158.216,150.204 ccw(c157.968,150.451) 158.318,150.451 ; 158.318,150.39 ccw(c158.581,150.39) R12.2@158.395,150.204 ; R12.2@158.522,150.024 cw(c158.739,149.807) 158.739,150.114 cw(c158.739,150.421) R12.2@158.522,150.204
  Bottom Layer w0.254: v1@159.324,150.378 cw(c159.885,149.817) 159.885,150.61 ; v1(159.378,150.324) 159.664,150.61 USB1.5@160.693,150.61 161.29,150.61 161.471,150.429 161.471,149.737 ; v1@159.504,150.198 cw(c160.498,149.204) USB1.5@160.498,150.61 ; USB1.7@160.693,149.61 161.345,149.61 161.471,149.737 ; USB1.5@161.093,150.587 cw(c161.093,150.056) 161.469,150.431 ; USB1.7@161.098,149.632 ccw(c161.192,150.016) 161.471,149.737
DP: R9.2 USB1.6 USB1.8 USB2.A5 | length 44.6
  Top Layer w0.254: USB2.A5@139.025,158.911 ccw(c138.644,159.291) 139.183,159.291 ccw(c139.721,159.291) USB2.A5@139.341,158.911 ; USB2.A5@139.183,158.603 139.183,159.309 140.767,159.309 140.767,155.042 144.424,151.384 148.285,151.384 149.276,150.393 149.276,146.583 149.695,146.164 153.2,146.164 154.534,147.498 158.039,147.498 158.318,147.777 ; 158.198,147.657 ccw(c158.02,147.834) R9.2@158.21,147.999 ; R9.2@158.223,147.986 cw(c158.042,147.777) 158.318,147.777 ; 158.318,147.806 cw(c158.581,147.806) R9.2@158.395,147.992 ; R9.2@158.522,147.992 cw(c158.739,147.775) 158.739,148.082 cw(c158.739,148.389) R9.2@158.522,148.172 ; v1(162.179,149.403) 160.858,148.082 R9.2@158.369,148.082 158.318,148.082 158.318,147.777
  Bottom Layer w0.254: 159.874,149.914 cw(c160.293,149.495) USB1.6@160.293,150.087 ; 159.912,149.269 ccw(c160.245,149.603) USB1.8@160.291,149.133 ; 159.96,149.999 cw(c160.201,149.758) USB1.6@160.287,150.088 ; USB1.6@160.693,150.11 160.071,150.11 159.801,149.84 159.801,149.38 160.071,149.11 USB1.8@160.693,149.11 161.886,149.11 v1(162.179,149.403) ; USB1.8@161.043,149.11 ccw(c161.043,150.539) v1@162.053,149.529 ; 161.656,149.11 ccw(c161.656,149.926) v1@162.233,149.349
FULL_CARD_POWER_OFF#: CN3.6 U1.37 | length 50.6
  Top Layer w0.254: v1(128.016,99.974) 130.581,102.54 130.581,112.243 130.302,112.522 129.261,112.522 128.88,112.903 128.88,117.805 133.378,122.304 U1.37@133.378,127.346
  Bottom Layer w0.254: CN3.6@113.065,97.664 112.065,97.664 112.065,99.517 112.522,99.974 v1(128.016,99.974)